# Altium PCB SONDE_2.PcbDoc (part 7 of 10)
Units mil, origin at the board's own origin, x right, y up, seen from the top; angles counter-clockwise.
Board outline 10236.22 x 6701.71 mil, 4 copper layers (Top Layer, GND, Internal Plane 2, Bottom Layer), stack 30.9 mil thick; 1794 components, 936 nets, 4747 pads, 493 vias.
Unrouted connection lines stored in the file: 1122.
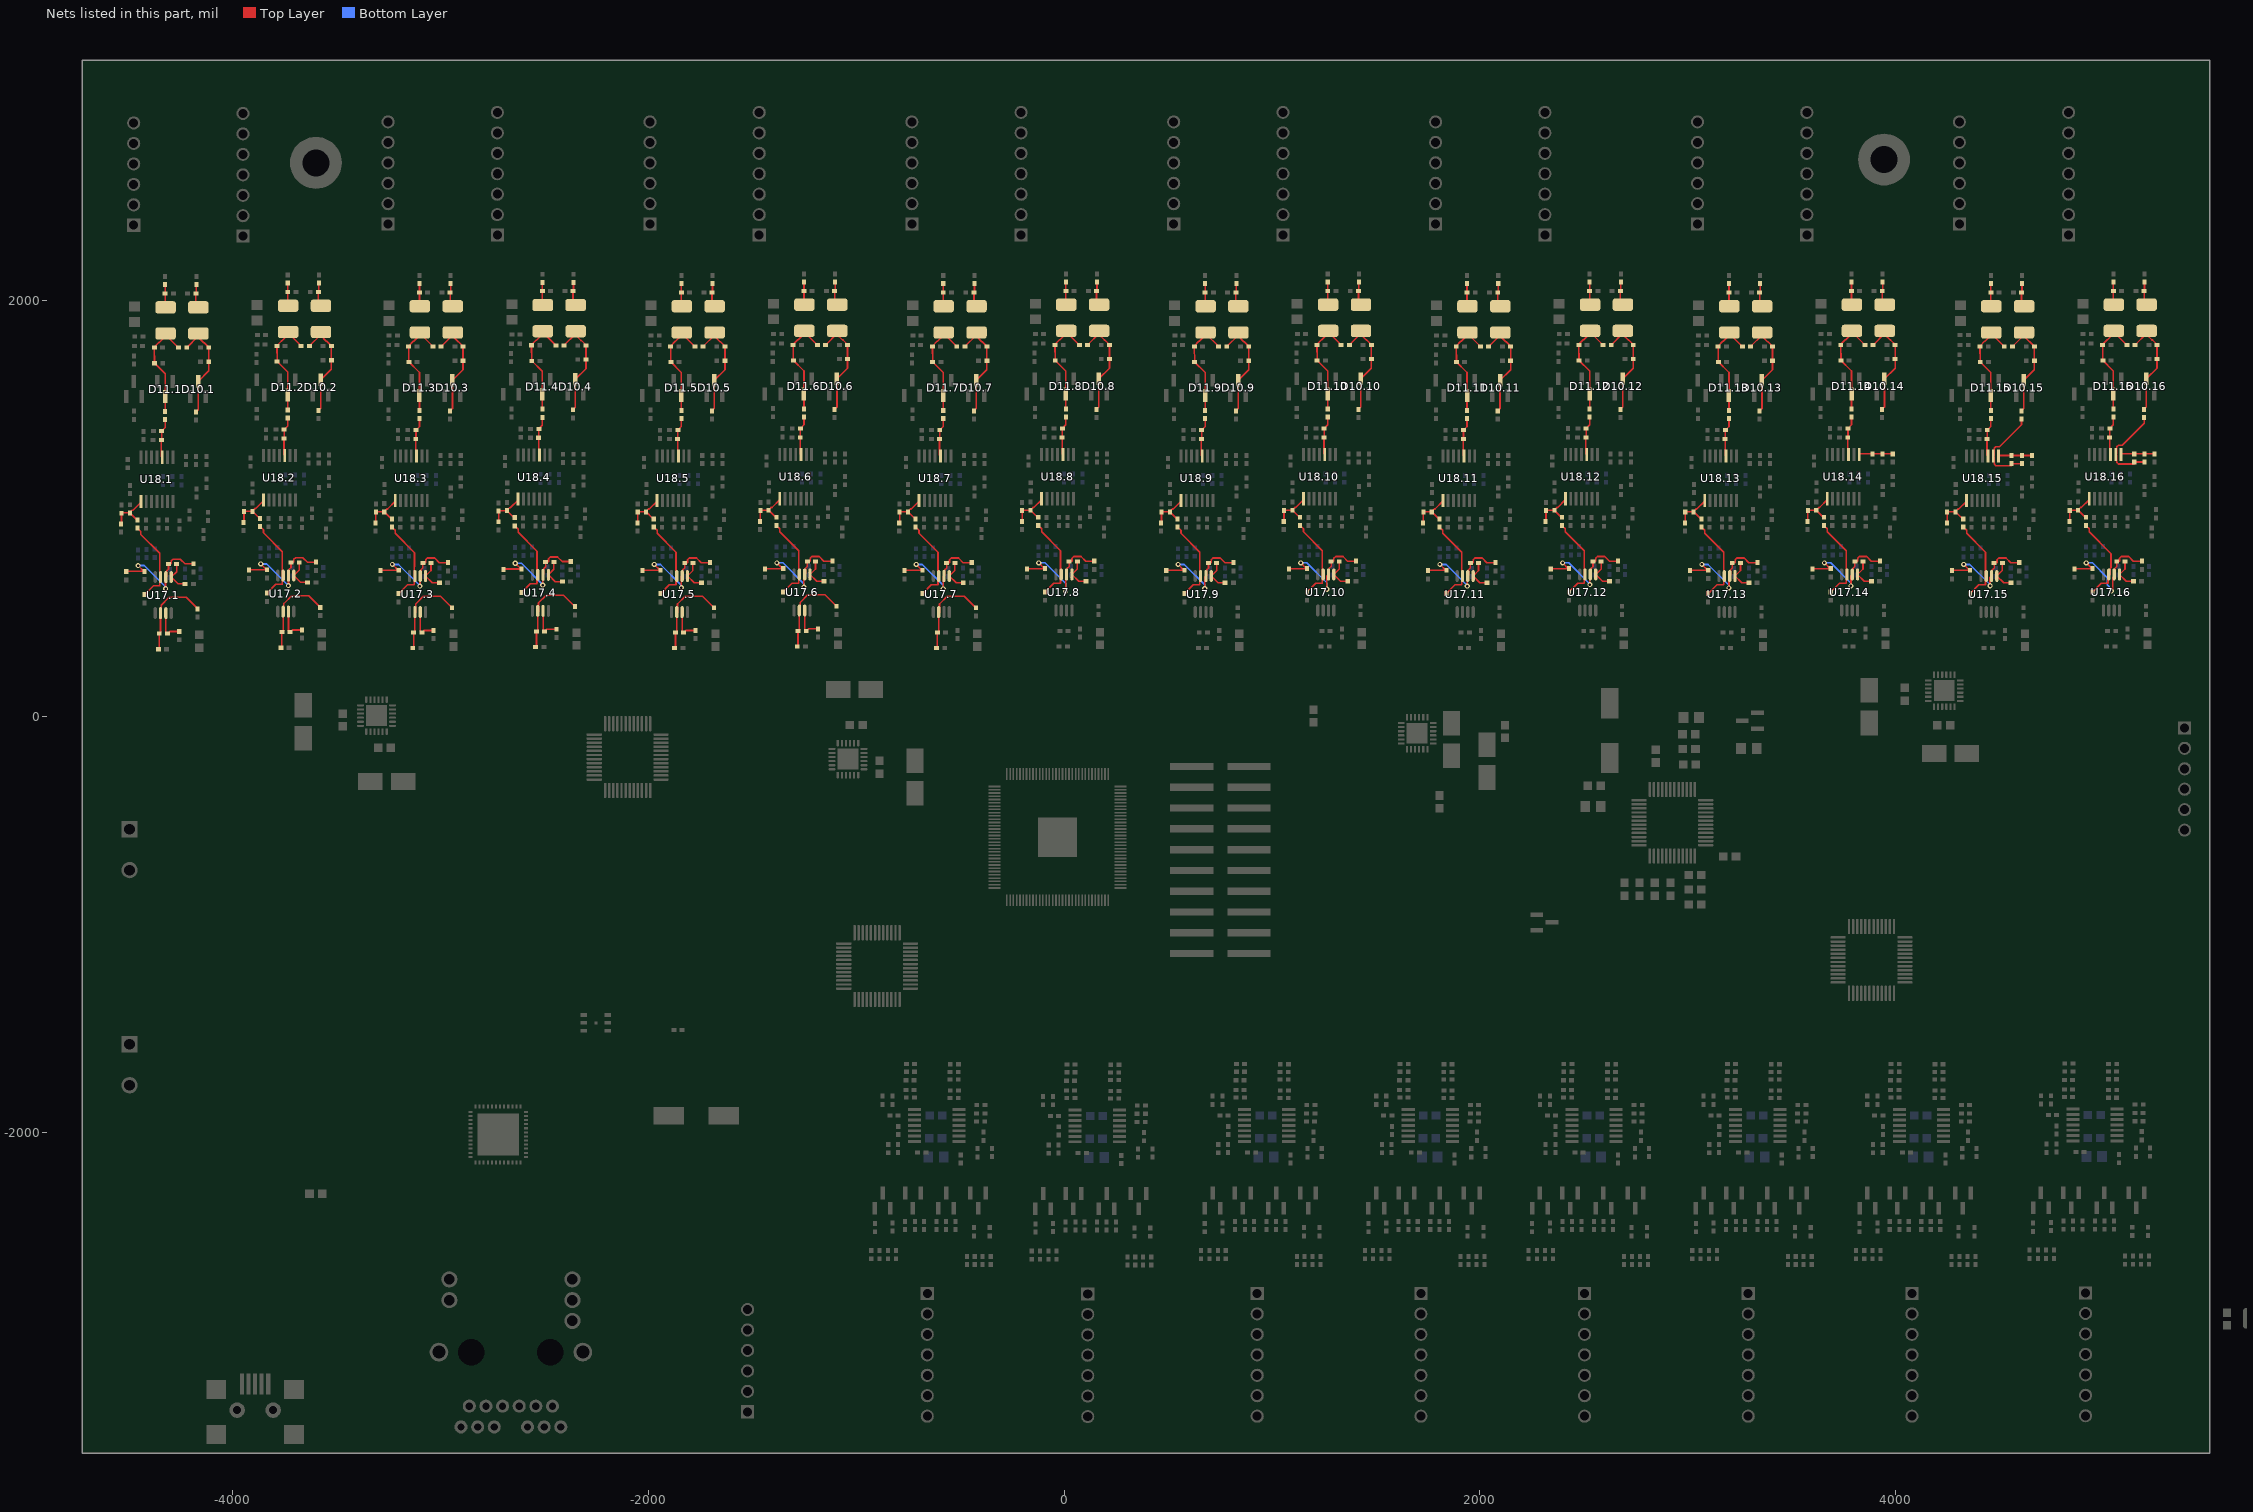
[diagram p9: the nets of this part, all layers, seen from the top]

## Via types
v1: diameter 25, hole 12, Top Layer to Bottom Layer, 493 vias

## Nets (pads, with @x,y where several pads share a name; then routed paths per layer and width w, separated by ;. In a path a pad name is that pad's centre, name@x,y a point inside that pad or via, vN(x,y) a via of type N, cw(c..) or ccw(c..) an arc to the next point about the centre after c; other vN are vias at no path point) (continued)
NetC58.14_2: C58.14.2 R36.14.1 R53.14.2 U18.14.1 | length 162.7
  Top Layer w8: U18.14.1@3824.68,1260.57 3828.13,1264.02 R36.14.1@3887.91,1264.02 C58.14.2@3936.91,1264.02 R53.14.2@3985.91,1264.02
NetC58.15_1: C58.15.1 R36.15.2 R43.15.2 U18.15.2 | length 437.1
  Top Layer w8: R43.15.2@4600.77,1426.83 R43.15.2@4605.43,1431.49 4605.43,1404.18 4499.85,1298.59 4482.17,1298.59 4473.96,1290.39 4473.96,1257.79 U18.15.2@4469.26,1253.09 4473.96,1248.39 4473.96,1215.8 4482.17,1207.6 4558.08,1207.6 R36.15.2@4558.08,1217.17 C58.15.1@4607.08,1217.17
NetC58.15_2: C58.15.2 R36.15.1 R53.15.2 U18.15.1 | length 162.7
  Top Layer w8: U18.15.1@4494.85,1253.09 4498.3,1256.54 R36.15.1@4558.08,1256.54 C58.15.2@4607.08,1256.54 R53.15.2@4656.08,1256.54
NetC58.16_1: C58.16.1 R36.16.2 R43.16.2 U18.16.2 | length 437.1
  Top Layer w8: R43.16.2@5190.44,1434.3 R43.16.2@5195.1,1438.96 5195.1,1411.65 5089.52,1306.06 5071.84,1306.06 5063.64,1297.86 5063.64,1265.27 U18.16.2@5058.94,1260.57 5063.64,1255.87 5063.64,1223.27 5071.84,1215.07 5147.75,1215.07 R36.16.2@5147.75,1224.65 C58.16.1@5196.75,1224.65
NetC58.16_2: C58.16.2 R36.16.1 R53.16.2 U18.16.1 | length 162.7
  Top Layer w8: U18.16.1@5084.53,1260.57 5087.98,1264.02 R36.16.1@5147.75,1264.02 C58.16.2@5196.75,1264.02 R53.16.2@5245.75,1264.02
NetC62.1_1: C62.1.1 C63.1.1 R34.1.2 R35.1.1 U17.1.2 | length 580
  Top Layer w8: R34.1.2@-4512,697.28 -4510.19,699.09 C63.1.1@-4427.18,699.09 ; v1(-4455,726.91) C63.1.1@-4427.18,699.09 ; C63.1.1@-4424.55,699.09 C63.1.1@-4427.18,699.09 ; v1(-4323,615) -4323,669.56 U17.1.2@-4321.23,671.33 -4317.54,675.02 -4317.54,701.05 -4308.71,709.88 C62.1.1@-4308.71,733.72 -4307.03,735.4 -4295.15,735.4 -4295.15,749.36 -4286.95,757.56 -4251.73,757.56 -4229.57,735.4 R35.1.1@-4192.03,735.4
  Bottom Layer w8: v1(-4455,726.91) -4425.46,726.91 -4323,624.45 v1(-4323,615)
NetC62.1_2: C62.1.2 R40.1.1 U17.1.1 | length 153.7
  Top Layer w8: C62.1.2@-4269.34,733.72 -4269.34,697.63 U17.1.1@-4295.64,671.33 -4263.03,638.72 R40.1.1@-4228.71,638.72
NetC62.2_1: C62.2.1 C63.2.1 R34.2.2 R35.2.1 U17.2.2 | length 564.6
  Top Layer w8: R34.2.2@-3922.33,704.76 -3920.52,706.57 C63.2.1@-3837.5,706.57 ; v1(-3865.33,734.39) C63.2.1@-3837.5,706.57 ; C63.2.1@-3834.88,706.57 C63.2.1@-3837.5,706.57 ; v1(-3731.56,630.16) U17.2.2@-3731.56,678.81 -3727.87,682.5 -3727.87,708.52 -3719.04,717.35 C62.2.1@-3719.04,741.2 -3717.35,742.88 -3705.48,742.88 -3705.48,756.84 -3697.28,765.04 -3662.06,765.04 -3639.9,742.88 R35.2.1@-3602.35,742.88
  Bottom Layer w8: v1(-3865.33,734.39) -3835.79,734.39 v1(-3731.56,630.16)
NetC62.2_2: C62.2.2 R40.2.1 U17.2.1 | length 153.7
  Top Layer w8: C62.2.2@-3679.67,741.2 -3679.67,705.11 U17.2.1@-3705.97,678.81 -3673.35,646.2 R40.2.1@-3639.04,646.2
NetC62.3_1: C62.3.1 C63.3.1 R34.3.2 R35.3.1 U17.3.2 | length 564.3
  Top Layer w8: R34.3.2@-3288.42,702.42 -3286.61,704.23 C63.3.1@-3203.6,704.23 ; v1(-3231.42,732.05) C63.3.1@-3203.6,704.23 ; C63.3.1@-3200.97,704.23 C63.3.1@-3203.6,704.23 ; v1(-3099,628) -3099,675.12 U17.3.2@-3097.65,676.47 -3093.96,680.16 -3093.96,706.19 -3085.13,715.01 C62.3.1@-3085.13,738.86 -3083.44,740.54 -3071.57,740.54 -3071.57,754.5 -3063.37,762.7 -3028.15,762.7 -3005.99,740.54 R35.3.1@-2968.44,740.54
  Bottom Layer w8: v1(-3231.42,732.05) -3201.88,732.05 -3099,629.17 v1(-3099,628)
NetC62.3_2: C62.3.2 R40.3.1 U17.3.1 | length 153.7
  Top Layer w8: C62.3.2@-3045.76,738.86 -3045.76,702.77 U17.3.1@-3072.06,676.47 -3039.44,643.86 R40.3.1@-3005.13,643.86
NetC62.4_1: C62.4.1 C63.4.1 R34.4.2 R35.4.1 U17.4.2 | length 565.4
  Top Layer w8: R34.4.2@-2697.39,708.01 -2695.58,709.82 C63.4.1@-2612.56,709.82 ; v1(-2640.39,737.64) C63.4.1@-2612.56,709.82 ; C63.4.1@-2609.94,709.82 C63.4.1@-2612.56,709.82 ; v1(-2508,633) -2508,680.68 U17.4.2@-2506.62,682.06 -2502.93,685.75 -2502.93,711.78 -2494.1,720.6 C62.4.1@-2494.1,744.45 -2492.41,746.13 -2480.54,746.13 -2480.54,760.09 -2472.34,768.29 -2437.12,768.29 -2414.96,746.13 R35.4.1@-2377.41,746.13
  Bottom Layer w8: v1(-2640.39,737.64) -2610.85,737.64 -2508,634.79 v1(-2508,633)
NetC62.4_2: C62.4.2 R40.4.1 U17.4.1 | length 153.7
  Top Layer w8: C62.4.2@-2454.73,744.45 -2454.73,708.36 U17.4.1@-2481.03,682.06 -2448.41,649.45 R40.4.1@-2414.1,649.45
NetC62.5_1: C62.5.1 C63.5.1 R34.5.2 R35.5.1 U17.5.2 | length 578.3
  Top Layer w8: R34.5.2@-2028.58,702.42 -2026.77,704.23 C63.5.1@-1943.75,704.23 ; v1(-1971.58,732.05) C63.5.1@-1943.75,704.23 ; C63.5.1@-1941.13,704.23 C63.5.1@-1943.75,704.23 ; v1(-1841.42,621) -1841.42,672.86 U17.5.2@-1837.81,676.47 -1834.12,680.16 -1834.12,706.19 -1825.29,715.01 C62.5.1@-1825.29,738.86 -1823.6,740.54 -1811.73,740.54 -1811.73,754.5 -1803.53,762.7 -1768.31,762.7 -1746.15,740.54 R35.5.1@-1708.6,740.54
  Bottom Layer w8: v1(-1971.58,732.05) -1942.04,732.05 -1841.42,631.43 v1(-1841.42,621)
NetC62.5_2: C62.5.2 R40.5.1 U17.5.1 | length 153.7
  Top Layer w8: C62.5.2@-1785.92,738.86 -1785.92,702.77 U17.5.1@-1812.22,676.47 -1779.6,643.86 R40.5.1@-1745.29,643.86
NetC62.6_1: C62.6.1 C63.6.1 R34.6.2 R35.6.1 U17.6.2 | length 589.9
  Top Layer w8: R34.6.2@-1438.9,709.9 -1437.1,711.7 C63.6.1@-1354.08,711.7 ; v1(-1381.9,739.53) C63.6.1@-1354.08,711.7 ; C63.6.1@-1351.46,711.7 C63.6.1@-1354.08,711.7 ; v1(-1252,622.68) -1252,680.08 U17.6.2@-1248.13,683.95 -1244.44,687.64 -1244.44,713.66 -1235.61,722.49 C62.6.1@-1235.61,746.33 -1233.93,748.02 -1222.06,748.02 -1222.06,761.97 -1213.85,770.18 -1178.63,770.18 -1156.48,748.02 R35.6.1@-1118.93,748.02
  Bottom Layer w8: v1(-1381.9,739.53) -1352.36,739.53 -1252,639.16 v1(-1252,622.68)
NetC62.6_2: C62.6.2 R40.6.1 U17.6.1 | length 153.7
  Top Layer w8: C62.6.2@-1196.24,746.33 -1196.24,710.25 U17.6.1@-1222.54,683.95 -1189.93,651.33 R40.6.1@-1155.61,651.33
NetC62.7_1: C62.7.1 C63.7.1 R34.7.2 R35.7.1 U17.7.2 | length 592.3
  Top Layer w8: R34.7.2@-768.73,702.42 -766.93,704.23 C63.7.1@-683.91,704.23 ; v1(-711.73,732.05) C63.7.1@-683.91,704.23 ; C63.7.1@-681.29,704.23 C63.7.1@-683.91,704.23 ; v1(-582,614) -582,672.43 U17.7.2@-577.96,676.47 -574.27,680.16 -574.27,706.19 -565.44,715.01 C62.7.1@-565.44,738.86 -563.76,740.54 -551.88,740.54 -551.88,754.5 -543.68,762.7 -508.46,762.7 -486.31,740.54 R35.7.1@-448.76,740.54
  Bottom Layer w8: v1(-711.73,732.05) -682.19,732.05 -582,631.86 v1(-582,614)
NetC62.7_2: C62.7.2 R40.7.1 U17.7.1 | length 153.7
  Top Layer w8: C62.7.2@-526.07,738.86 -526.07,702.77 U17.7.1@-552.37,676.47 -519.76,643.86 R40.7.1@-485.44,643.86
NetC62.8_1: C62.8.1 C63.8.1 R34.8.2 R35.8.1 U17.8.2 | length 631.2
  Top Layer w8: R34.8.2@-179.06,709.9 -177.25,711.7 C63.8.1@-94.24,711.7 ; v1(-122.06,739.53) C63.8.1@-94.24,711.7 ; C63.8.1@-91.62,711.7 C63.8.1@-94.24,711.7 ; v1(7,602) 7,679.24 U17.8.2@11.71,683.95 15.4,687.64 15.4,713.66 24.23,722.49 C62.8.1@24.23,746.33 25.91,748.02 37.79,748.02 37.79,761.97 45.99,770.18 81.21,770.18 103.37,748.02 R35.8.1@140.91,748.02
  Bottom Layer w8: v1(-122.06,739.53) -92.52,739.53 7,640 v1(7,602)
NetC62.8_2: C62.8.2 R40.8.1 U17.8.1 | length 153.7
  Top Layer w8: C62.8.2@63.6,746.33 63.6,710.25 U17.8.1@37.3,683.95 69.91,651.33 R40.8.1@104.23,651.33
NetC62.9_1: C62.9.1 C63.9.1 R34.9.2 R35.9.1 U17.9.2 | length 590.3
  Top Layer w8: R34.9.2@491.11,702.42 492.92,704.23 C63.9.1@575.93,704.23 ; v1(548.11,732.05) C63.9.1@575.93,704.23 ; C63.9.1@578.56,704.23 C63.9.1@575.93,704.23 ; v1(676,615) 676,670.59 U17.9.2@681.88,676.47 685.57,680.16 685.57,706.19 694.4,715.01 C62.9.1@694.4,738.86 696.08,740.54 707.96,740.54 707.96,754.5 716.16,762.7 751.38,762.7 773.54,740.54 R35.9.1@811.08,740.54
  Bottom Layer w8: v1(548.11,732.05) 577.65,732.05 676,633.7 v1(676,615)
NetC62.9_2: C62.9.2 R40.9.1 U17.9.1 | length 153.7
  Top Layer w8: C62.9.2@733.77,738.86 733.77,702.77 U17.9.1@707.47,676.47 740.08,643.86 R40.9.1@774.4,643.86
NetC62.10_1: C62.10.1 C63.10.1 R34.10.2 R35.10.1 U17.10.2 | length 609.2
  Top Layer w8: R34.10.2@1080.78,709.9 1082.59,711.7 C63.10.1@1165.6,711.7 ; v1(1137.78,739.53) C63.10.1@1165.6,711.7 ; C63.10.1@1168.23,711.7 C63.10.1@1165.6,711.7 ; v1(1264,613) 1264,676.4 U17.10.2@1271.55,683.95 1275.24,687.64 1275.24,713.66 1284.07,722.49 C62.10.1@1284.07,746.33 1285.76,748.02 1297.63,748.02 1297.63,761.97 1305.83,770.18 1341.05,770.18 1363.21,748.02 R35.10.1@1400.76,748.02
  Bottom Layer w8: v1(1137.78,739.53) 1167.32,739.53 1264,642.85 v1(1264,613)
NetC62.10_2: C62.10.2 R40.10.1 U17.10.1 | length 153.7
  Top Layer w8: C62.10.2@1323.44,746.33 1323.44,710.25 U17.10.1@1297.14,683.95 1329.76,651.33 R40.10.1@1364.07,651.33
NetC62.11_1: C62.11.1 C63.11.1 R34.11.2 R35.11.1 U17.11.2 | length 564.3
  Top Layer w8: R34.11.2@1750.95,702.42 1752.76,704.23 C63.11.1@1835.77,704.23 ; v1(1807.95,732.05) C63.11.1@1835.77,704.23 ; C63.11.1@1838.4,704.23 C63.11.1@1835.77,704.23 ; v1(1939,628) 1939,673.75 U17.11.2@1941.72,676.47 1945.41,680.16 1945.41,706.19 1954.24,715.01 C62.11.1@1954.24,738.86 1955.93,740.54 1967.8,740.54 1967.8,754.5 1976,762.7 2011.22,762.7 2033.38,740.54 R35.11.1@2070.93,740.54
  Bottom Layer w8: v1(1807.95,732.05) 1837.49,732.05 1939,630.54 v1(1939,628)
NetC62.11_2: C62.11.2 R40.11.1 U17.11.1 | length 153.7
  Top Layer w8: C62.11.2@1993.61,738.86 1993.61,702.77 U17.11.1@1967.31,676.47 1999.93,643.86 R40.11.1@2034.24,643.86
NetC62.12_1: C62.12.1 C63.12.1 R34.12.2 R35.12.1 U17.12.2 | length 565.2
  Top Layer w8: R34.12.2@2340.62,709.9 2342.43,711.7 C63.12.1@2425.45,711.7 ; v1(2397.62,739.53) C63.12.1@2425.45,711.7 ; C63.12.1@2428.07,711.7 C63.12.1@2425.45,711.7 ; v1(2529,635) 2529,681.55 U17.12.2@2531.39,683.95 2535.08,687.64 2535.08,713.66 2543.91,722.49 C62.12.1@2543.91,746.33 2545.6,748.02 2557.47,748.02 2557.47,761.97 2565.67,770.18 2600.89,770.18 2623.05,748.02 R35.12.1@2660.6,748.02
  Bottom Layer w8: v1(2397.62,739.53) 2427.16,739.53 2529,637.69 v1(2529,635)
NetC62.12_2: C62.12.2 R40.12.1 U17.12.1 | length 153.7
  Top Layer w8: C62.12.2@2583.28,746.33 2583.28,710.25 U17.12.1@2556.98,683.95 2589.6,651.33 R40.12.1@2623.91,651.33
NetC62.13_1: C62.13.1 C63.13.1 R34.13.2 R35.13.1 U17.13.2 | length 582.3
  Top Layer w8: R34.13.2@3010.79,702.42 3012.6,704.23 C63.13.1@3095.62,704.23 ; v1(3067.79,732.05) C63.13.1@3095.62,704.23 ; C63.13.1@3098.24,704.23 C63.13.1@3095.62,704.23 ; v1(3197.95,619) 3197.95,672.86 U17.13.2@3201.56,676.47 3205.25,680.16 3205.25,706.19 3214.08,715.01 C62.13.1@3214.08,738.86 3215.77,740.54 3227.64,740.54 3227.64,754.5 3235.84,762.7 3271.06,762.7 3293.22,740.54 R35.13.1@3330.77,740.54
  Bottom Layer w8: v1(3067.79,732.05) 3097.33,732.05 3197.95,631.43 v1(3197.95,619)
NetC62.13_2: C62.13.2 R40.13.1 U17.13.1 | length 153.7
  Top Layer w8: C62.13.2@3253.45,738.86 3253.45,702.77 U17.13.1@3227.15,676.47 3259.77,643.86 R40.13.1@3294.08,643.86
NetC62.14_1: C62.14.1 C63.14.1 R34.14.2 R35.14.1 U17.14.2 | length 577.2
  Top Layer w8: R34.14.2@3600.47,709.9 3602.27,711.7 C63.14.1@3685.29,711.7 ; v1(3657.47,739.53) C63.14.1@3685.29,711.7 ; C63.14.1@3687.91,711.7 C63.14.1@3685.29,711.7 ; v1(3785,629) 3785,677.71 U17.14.2@3791.24,683.95 3794.93,687.64 3794.93,713.66 3803.76,722.49 C62.14.1@3803.76,746.33 3805.44,748.02 3817.31,748.02 3817.31,761.97 3825.52,770.18 3860.74,770.18 3882.89,748.02 R35.14.1@3920.44,748.02
  Bottom Layer w8: v1(3657.47,739.53) 3687.01,739.53 3785,641.53 v1(3785,629)
NetC62.14_2: C62.14.2 R40.14.1 U17.14.1 | length 153.7
  Top Layer w8: C62.14.2@3843.13,746.33 3843.13,710.25 U17.14.1@3816.83,683.95 3849.44,651.33 R40.14.1@3883.76,651.33
NetC62.15_1: C62.15.1 C63.15.1 R34.15.2 R35.15.1 U17.15.2 | length 560.3
  Top Layer w8: R34.15.2@4270.64,702.42 4272.44,704.23 C63.15.1@4355.46,704.23 ; v1(4327.64,732.05) C63.15.1@4355.46,704.23 ; C63.15.1@4358.08,704.23 C63.15.1@4355.46,704.23 ; v1(4454,630) 4454,669.06 U17.15.2@4461.41,676.47 4465.1,680.16 4465.1,706.19 4473.93,715.01 C62.15.1@4473.93,738.86 4475.61,740.54 4487.49,740.54 4487.49,754.5 4495.69,762.7 4530.91,762.7 4553.06,740.54 R35.15.1@4590.61,740.54
  Bottom Layer w8: v1(4327.64,732.05) 4357.18,732.05 4454,635.23 v1(4454,630)
NetC62.15_2: C62.15.2 R40.15.1 U17.15.1 | length 153.7
  Top Layer w8: C62.15.2@4513.3,738.86 4513.3,702.77 U17.15.1@4487,676.47 4519.61,643.86 R40.15.1@4553.93,643.86
NetC62.16_1: C62.16.1 C63.16.1 R34.16.2 R35.16.1 U17.16.2 | length 630.5
  Top Layer w8: R34.16.2@4860.31,709.9 4862.12,711.7 C63.16.1@4945.13,711.7 ; v1(4917.31,739.53) C63.16.1@4945.13,711.7 ; C63.16.1@4947.76,711.7 C63.16.1@4945.13,711.7 ; v1(5037.75,604) 5044.39,610.63 5044.39,669.41 5055,680.03 U17.16.2@5051.08,683.95 5054.77,687.64 5054.77,713.66 5063.6,722.49 C62.16.1@5063.6,746.33 5065.28,748.02 5077.16,748.02 5077.16,761.97 5085.36,770.18 5120.58,770.18 5142.74,748.02 R35.16.1@5180.28,748.02
  Bottom Layer w8: v1(4917.31,739.53) 4946.85,739.53 5018,668.37 5018,633.88 5037.75,614.13 v1(5037.75,604)
NetC62.16_2: C62.16.2 R40.16.1 U17.16.1 | length 153.7
  Top Layer w8: C62.16.2@5102.97,746.33 5102.97,710.25 U17.16.1@5076.67,683.95 5109.28,651.33 R40.16.1@5143.6,651.33
NetC64.1_1: C64.1.1 R37.1.2 R39.1.1 | length 111.8
  Top Layer w8: R39.1.1@-4177.16,2035.87 -4177.16,1981.34 C64.1.1@-4164.84,1969.03 ; R39.1.1@-4174.84,2038.19 R37.1.2@-4174.84,2078.03
NetC64.1_2: C64.1.2 C65.1.1 C67.1.1 D10.1.3 R38.1.1 R43.1.1 | length 503.9
  Top Layer w8: C67.1.1@-4220.76,1775.04 C64.1.2@-4164.84,1830.96 ; R43.1.1@-4177.2,1465.72 -4166.16,1476.77 D10.1.3@-4166.16,1612.45 -4115.16,1663.45 R38.1.1@-4115.16,1707.03 C65.1.1@-4115.16,1775.04 -4115.16,1777.12 -4136.92,1798.88 -4139,1798.88 -4164.84,1824.73 C64.1.2@-4164.84,1830.96 ; C64.1.2@-4164.84,1843.04 C64.1.2@-4164.84,1830.96
NetC64.2_1: C64.2.1 R37.2.2 R39.2.1 | length 111.8
  Top Layer w8: R39.2.1@-3587.48,2043.35 -3587.48,1988.82 C64.2.1@-3575.17,1976.5 ; R39.2.1@-3585.17,2045.67 R37.2.2@-3585.17,2085.51
NetC64.2_2: C64.2.2 C65.2.1 C67.2.1 D10.2.3 R38.2.1 R43.2.1 | length 503.9
  Top Layer w8: C67.2.1@-3631.09,1782.52 C64.2.2@-3575.17,1838.44 ; R43.2.1@-3587.53,1473.2 -3576.48,1484.24 D10.2.3@-3576.48,1619.93 -3525.48,1670.93 R38.2.1@-3525.48,1714.51 C65.2.1@-3525.48,1782.52 -3525.48,1784.6 -3547.24,1806.36 -3549.33,1806.36 -3575.17,1832.2 C64.2.2@-3575.17,1838.44 ; C64.2.2@-3575.17,1850.52 C64.2.2@-3575.17,1838.44
NetC64.3_1: C64.3.1 R37.3.2 R39.3.1 | length 111.8
  Top Layer w8: R39.3.1@-2953.57,2041.01 -2953.57,1986.48 C64.3.1@-2941.26,1974.16 ; R39.3.1@-2951.26,2043.33 R37.3.2@-2951.26,2083.17
NetC64.3_2: C64.3.2 C65.3.1 C67.3.1 D10.3.3 R38.3.1 R43.3.1 | length 503.9
  Top Layer w8: C67.3.1@-2997.18,1780.18 C64.3.2@-2941.26,1836.1 ; R43.3.1@-2953.62,1470.86 -2942.57,1481.9 D10.3.3@-2942.57,1617.59 -2891.57,1668.59 R38.3.1@-2891.57,1712.17 C65.3.1@-2891.57,1780.18 -2891.57,1782.26 -2913.34,1804.02 -2915.42,1804.02 -2941.26,1829.86 C64.3.2@-2941.26,1836.1 ; C64.3.2@-2941.26,1848.18 C64.3.2@-2941.26,1836.1
NetC64.4_1: C64.4.1 R37.4.2 R39.4.1 | length 111.8
  Top Layer w8: R39.4.1@-2362.54,2046.6 -2362.54,1992.07 C64.4.1@-2350.23,1979.75 ; R39.4.1@-2360.23,2048.92 R37.4.2@-2360.23,2088.76
NetC64.4_2: C64.4.2 C65.4.1 C67.4.1 D10.4.3 R38.4.1 R43.4.1 | length 503.9
  Top Layer w8: C67.4.1@-2406.15,1785.77 C64.4.2@-2350.23,1841.69 ; R43.4.1@-2362.59,1476.45 -2351.54,1487.49 D10.4.3@-2351.54,1623.18 -2300.54,1674.18 R38.4.1@-2300.54,1717.76 C65.4.1@-2300.54,1785.77 -2300.54,1787.85 -2322.3,1809.61 -2324.39,1809.61 -2350.23,1835.46 C64.4.2@-2350.23,1841.69 ; C64.4.2@-2350.23,1853.77 C64.4.2@-2350.23,1841.69
NetC64.5_1: C64.5.1 R37.5.2 R39.5.1 | length 111.8
  Top Layer w8: R39.5.1@-1693.73,2041.01 -1693.73,1986.48 C64.5.1@-1681.42,1974.16 ; R39.5.1@-1691.42,2043.33 R37.5.2@-1691.42,2083.17
NetC64.5_2: C64.5.2 C65.5.1 C67.5.1 D10.5.3 R38.5.1 R43.5.1 | length 503.9
  Top Layer w8: C67.5.1@-1737.33,1780.18 C64.5.2@-1681.42,1836.1 ; R43.5.1@-1693.78,1470.86 -1682.73,1481.9 D10.5.3@-1682.73,1617.59 -1631.73,1668.59 R38.5.1@-1631.73,1712.17 C65.5.1@-1631.73,1780.18 -1631.73,1782.26 -1653.49,1804.02 -1655.57,1804.02 -1681.42,1829.86 C64.5.2@-1681.42,1836.1 ; C64.5.2@-1681.42,1848.18 C64.5.2@-1681.42,1836.1
NetC64.6_1: C64.6.1 R37.6.2 R39.6.1 | length 111.8
  Top Layer w8: R39.6.1@-1104.06,2048.49 -1104.06,1993.96 C64.6.1@-1091.75,1981.64 ; R39.6.1@-1101.75,2050.8 R37.6.2@-1101.75,2090.65
NetC64.6_2: C64.6.2 C65.6.1 C67.6.1 D10.6.3 R38.6.1 R43.6.1 | length 503.9
  Top Layer w8: C67.6.1@-1147.66,1787.66 C64.6.2@-1091.75,1843.57 ; R43.6.1@-1104.11,1478.33 -1093.06,1489.38 D10.6.3@-1093.06,1625.07 -1042.06,1676.07 R38.6.1@-1042.06,1719.65 C65.6.1@-1042.06,1787.66 -1042.06,1789.74 -1063.82,1811.5 -1065.9,1811.5 -1091.75,1837.34 C64.6.2@-1091.75,1843.57 ; C64.6.2@-1091.75,1855.66 C64.6.2@-1091.75,1843.57
NetC64.7_1: C64.7.1 R37.7.2 R39.7.1 | length 111.8
  Top Layer w8: R39.7.1@-433.89,2041.01 -433.89,1986.48 C64.7.1@-421.57,1974.16 ; R39.7.1@-431.57,2043.33 R37.7.2@-431.57,2083.17
NetC64.7_2: C64.7.2 C65.7.1 C67.7.1 D10.7.3 R38.7.1 R43.7.1 | length 503.9
  Top Layer w8: C67.7.1@-477.49,1780.18 C64.7.2@-421.57,1836.1 ; R43.7.1@-433.94,1470.86 -422.89,1481.9 D10.7.3@-422.89,1617.59 -371.89,1668.59 R38.7.1@-371.89,1712.17 C65.7.1@-371.89,1780.18 -371.89,1782.26 -393.65,1804.02 -395.73,1804.02 -421.57,1829.86 C64.7.2@-421.57,1836.1 ; C64.7.2@-421.57,1848.18 C64.7.2@-421.57,1836.1
NetC64.8_1: C64.8.1 R37.8.2 R39.8.1 | length 111.8
  Top Layer w8: R39.8.1@155.78,2048.49 155.78,1993.96 C64.8.1@168.1,1981.64 ; R39.8.1@158.1,2050.8 R37.8.2@158.1,2090.65
NetC64.8_2: C64.8.2 C65.8.1 C67.8.1 D10.8.3 R38.8.1 R43.8.1 | length 503.9
  Top Layer w8: C67.8.1@112.18,1787.66 C64.8.2@168.1,1843.57 ; R43.8.1@155.73,1478.33 166.78,1489.38 D10.8.3@166.78,1625.07 217.78,1676.07 R38.8.1@217.78,1719.65 C65.8.1@217.78,1787.66 217.78,1789.74 196.02,1811.5 193.94,1811.5 168.1,1837.34 C64.8.2@168.1,1843.57 ; C64.8.2@168.1,1855.66 C64.8.2@168.1,1843.57
NetC64.9_1: C64.9.1 R37.9.2 R39.9.1 | length 111.8
  Top Layer w8: R39.9.1@825.95,2041.01 825.95,1986.48 C64.9.1@838.27,1974.16 ; R39.9.1@828.27,2043.33 R37.9.2@828.27,2083.17
NetC64.9_2: C64.9.2 C65.9.1 C67.9.1 D10.9.3 R38.9.1 R43.9.1 | length 503.9
  Top Layer w8: C67.9.1@782.35,1780.18 C64.9.2@838.27,1836.1 ; R43.9.1@825.91,1470.86 836.95,1481.9 D10.9.3@836.95,1617.59 887.95,1668.59 R38.9.1@887.95,1712.17 C65.9.1@887.95,1780.18 887.95,1782.26 866.19,1804.02 864.11,1804.02 838.27,1829.86 C64.9.2@838.27,1836.1 ; C64.9.2@838.27,1848.18 C64.9.2@838.27,1836.1
NetC64.10_1: C64.10.1 R37.10.2 R39.10.1 | length 111.8
  Top Layer w8: R39.10.1@1415.62,2048.49 1415.62,1993.96 C64.10.1@1427.94,1981.64 ; R39.10.1@1417.94,2050.8 R37.10.2@1417.94,2090.65
NetC64.10_2: C64.10.2 C65.10.1 C67.10.1 D10.10.3 R38.10.1 R43.10.1 | length 503.9
  Top Layer w8: C67.10.1@1372.02,1787.66 C64.10.2@1427.94,1843.57 ; R43.10.1@1415.58,1478.33 1426.62,1489.38 D10.10.3@1426.62,1625.07 1477.62,1676.07 R38.10.1@1477.62,1719.65 C65.10.1@1477.62,1787.66 1477.62,1789.74 1455.86,1811.5 1453.78,1811.5 1427.94,1837.34 C64.10.2@1427.94,1843.57 ; C64.10.2@1427.94,1855.66 C64.10.2@1427.94,1843.57
NetC64.11_1: C64.11.1 R37.11.2 R39.11.1 | length 111.8
  Top Layer w8: R39.11.1@2085.8,2041.01 2085.8,1986.48 C64.11.1@2098.11,1974.16 ; R39.11.1@2088.11,2043.33 R37.11.2@2088.11,2083.17
NetC64.11_2: C64.11.2 C65.11.1 C67.11.1 D10.11.3 R38.11.1 R43.11.1 | length 503.9
  Top Layer w8: C67.11.1@2042.19,1780.18 C64.11.2@2098.11,1836.1 ; R43.11.1@2085.75,1470.86 2096.8,1481.9 D10.11.3@2096.8,1617.59 2147.8,1668.59 R38.11.1@2147.8,1712.17 C65.11.1@2147.8,1780.18 2147.8,1782.26 2126.03,1804.02 2123.95,1804.02 2098.11,1829.86 C64.11.2@2098.11,1836.1 ; C64.11.2@2098.11,1848.18 C64.11.2@2098.11,1836.1
NetC64.12_1: C64.12.1 R37.12.2 R39.12.1 | length 111.8
  Top Layer w8: R39.12.1@2675.47,2048.49 2675.47,1993.96 C64.12.1@2687.78,1981.64 ; R39.12.1@2677.78,2050.8 R37.12.2@2677.78,2090.65
NetC64.12_2: C64.12.2 C65.12.1 C67.12.1 D10.12.3 R38.12.1 R43.12.1 | length 503.9
  Top Layer w8: C67.12.1@2631.87,1787.66 C64.12.2@2687.78,1843.57 ; R43.12.1@2675.42,1478.33 2686.47,1489.38 D10.12.3@2686.47,1625.07 2737.47,1676.07 R38.12.1@2737.47,1719.65 C65.12.1@2737.47,1787.66 2737.47,1789.74 2715.71,1811.5 2713.62,1811.5 2687.78,1837.34 C64.12.2@2687.78,1843.57 ; C64.12.2@2687.78,1855.66 C64.12.2@2687.78,1843.57
NetC64.13_1: C64.13.1 R37.13.2 R39.13.1 | length 111.8
  Top Layer w8: R39.13.1@3345.64,2041.01 3345.64,1986.48 C64.13.1@3357.95,1974.16 ; R39.13.1@3347.95,2043.33 R37.13.2@3347.95,2083.17
NetC64.13_2: C64.13.2 C65.13.1 C67.13.1 D10.13.3 R38.13.1 R43.13.1 | length 503.9
  Top Layer w8: C67.13.1@3302.04,1780.18 C64.13.2@3357.95,1836.1 ; R43.13.1@3345.59,1470.86 3356.64,1481.9 D10.13.3@3356.64,1617.59 3407.64,1668.59 R38.13.1@3407.64,1712.17 C65.13.1@3407.64,1780.18 3407.64,1782.26 3385.88,1804.02 3383.8,1804.02 3357.95,1829.86 C64.13.2@3357.95,1836.1 ; C64.13.2@3357.95,1848.18 C64.13.2@3357.95,1836.1
NetC64.14_1: C64.14.1 R37.14.2 R39.14.1 | length 111.8
  Top Layer w8: R39.14.1@3935.31,2048.49 3935.31,1993.96 C64.14.1@3947.62,1981.64 ; R39.14.1@3937.62,2050.8 R37.14.2@3937.62,2090.65